# Allegro board F407_PACK_V10C.brd (continued)
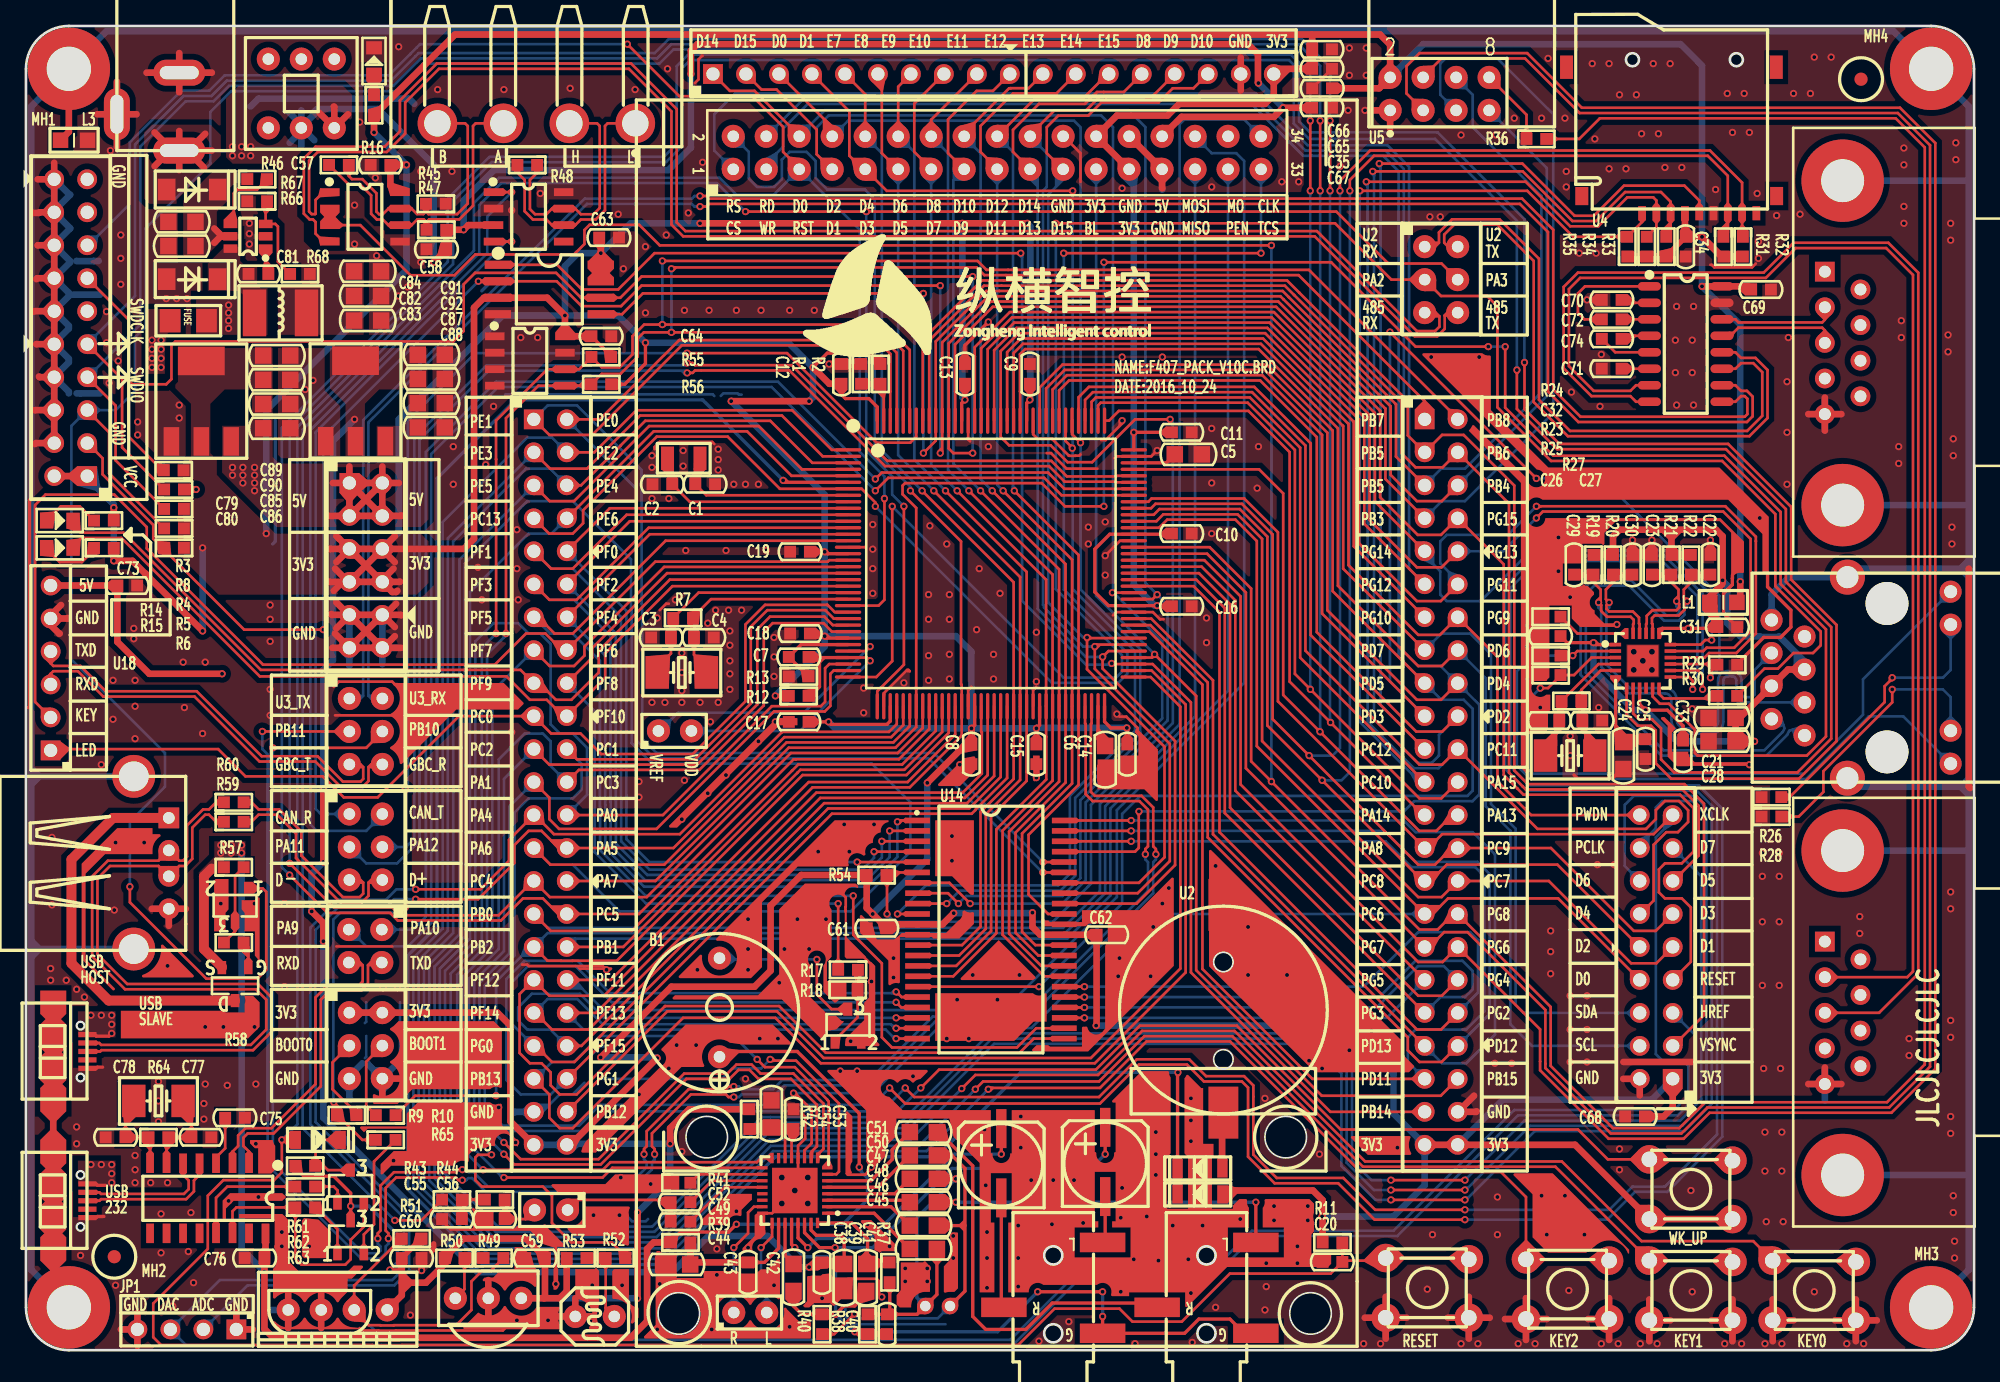
[diagram p0: board, top side]
## Routing (per net, layer and track width the routed paths; a pad name or vN(x,y) marks a point on that pad's centre or on a via; arc(x,y) is an arc through that point) (continued)
N11518043: length 4.4
  TOP w0.203: R1.1 R2.1 66.05,74.19 U1.143
N11518115: length 3.4
  TOP w0.254: C5.1 87.81,68.35 U1.106
N11543983: length 7
  TOP w0.254: C24.1 122.4,47.44 U3.6
  TOP w0.508: C25.1 123.22,47.06 C24.1
N11544758: length 5.6
  TOP w0.203: R24.2 119.46,55.2 U3.24
N11545616: length 5.2
  TOP w0.203: R30.1 130.04,50.2 126.1,50.2 125.75,50.55 U3.12
N11546552: length 10.1
  TOP w0.203: U3.4 121.09,52.85 R27.1 118.24,48.68 C26.2 118.06,48.46 117.8,48.2 117.8,46.6 X3.2
N11546564: length 8.7
  TOP w0.203: X3.1 120.1,46.5 120.1,48.2 119.84,48.46 C27.2 119.76,48.58 R27.2 119.76,50.86 121.25,52.35 U3.5
N11550641: length 21.3
  TOP w0.203: v1(143.7,51.8) 143.7,51.73 143.12,51.14 143.12,49.92 135.8,42.6 R26.1
  BOTTOM w0.203: J9.11 148.2,52.4 147.6,51.8 v1(143.7,51.8)
N11550645: length 21.5
  TOP w0.203: v1(143.7,50.9) 143.7,49.9 138.4,44.6 138.4,43 136.5,41.1 R28.1
  BOTTOM w0.203: 148.2,47.72 148.2,50.3 147.6,50.9 v1(143.7,50.9)
N11560624: length 4.6
  TOP w0.203: D3.1 2.68,65 4.14,65 R14.2
N11560628: length 4.7
  TOP w0.203: D4.1 1.58,61.72 2.6,60.7 4.3,60.7 5.24,61.64 R15.2
N11623966: length 3.3
  TOP w0.254: C6.1 82.55,47.09 U1.71
N11837194: length 13.6
  TOP w0.508: 11.3,92.4 9.9,93.8 ; 11.3,92.4 11.1,92.4 9.9,91.2 ; 11.3,92.4 DC1.1 ; 12.5,92.4 14.31,92.4 ; 12.5,92.4 12.4,92.4 ; 12.5,92.4 13.8,93.7 ; 12.4,92.4 13.7,91.1 ; 12.4,92.4 DC1.1 ; DC1.1 11.8,93.91 ; DC1.1 11.8,90.89
N11837240: length 2.3
  TOP w0.508: 15.1,85.8 14.5,86.4 ; 15.1,85.8 U20.5 ; 15.1,85.8 15,85.8 14.5,85.3
N11837304: length 6.9
  TOP w0.203: U20.3 18.45,86.75 ; 18.45,86.75 19.2,86.75 19.4,86.55 19.4,83.84 R68.1 ; 18.45,86.75 18.45,88.39 R66.2
N11838232: length 2
  TOP w0.203: U20.1 18.45,83.11 C81.2
N13706171: length 5.5
  TOP w0.203: U20.4 16,87 16,89.1 16.3,89.4 17.8,89.4 18.56,90.16 R67.1
N13708484: length 6.3
  TOP w0.203: Q1.1 62.28,23.88 64.04,25.64 R18.2 64.04,28.61 64.06,28.64 R17.2
N13708528: length 13.1
  TOP w0.203: v1(60.9,30.1) 60.9,27.4 62.03,26.27 Q1.3
  BOTTOM w0.203: B1.2 53.5,30.1 v1(60.9,30.1)
N13709121: length 6.5
  TOP w0.203: 24.23,16.2 22.8,16.2 22.3,15.7 22.3,14.9 22.26,14.86 R61.2 22.92,14.2 23.25,13.87 Q4.3
N13709187: length 2.8
  TOP w0.203: Q4.1 24,11.35 24,12.3 23.7,12.6 R62.1
N13709299: length 4.3
  TOP w0.203: Q5.1 23.98,9.32 22.3,11 R63.1
N13709345: length 9.8
  TOP w0.203: R65.1 26.8,14.54 26.8,9.7 26.02,8.92 Q5.2
N13727357: length 1.6
  TOP w0.254: D5.1 R16.2
N13728271: length 3.8
  TOP w0.203: U19.4 14.63,14.85 15.34,15.55 C75.2
N13728445: length 6.9
  TOP w0.203: U19.7 10.82,16.26 R64.1 C77.2 12.74,18.56 X4.2
N13728616: length 6.9
  TOP w0.203: U19.8 9.55,16.28 R64.2 C78.2 7.66,18.56 X4.1
N13740556: length 10.9
  TOP w0.254: C43.1 56.86,6.76 57.95,7.85 U9.26
  TOP w0.508: C43.1 51.2,6.76 51.16,6.72 ; 51.16,6.72 R39.1 ; 51.16,6.72 51.14,6.7 C44.1
N13740781: length 6.6
  TOP w0.203: U9.20 53.81,12.55 C49.1
N13740788: length 6.2
  TOP w0.203: C52.1 52.81,13.05 U9.19
N13741001: length 5.8
  TOP w0.203: U9.18 51.91,13.55 51.86,13.5 51.76,13.5 R41.1
N13741060: length 8.1
  TOP w0.203: 58.4,17.04 58.4,16.54 58.45,16.49 U9.14 ; U9.13 58.95,16.89 C53.1
  TOP w0.508: C53.1 57.52,17.04 C54.1 57.28,17.04 R42.1
N13741784: length 8.3
  TOP w0.254: C51.1 66.7,15.44 66.7,14.7 65.05,13.05 U9.6
N13741788: length 7.4
  TOP w0.254: U9.5 65.61,12.55 C50.1
N13741800: length 6.8
  TOP w0.254: C47.1 66.91,12.05 U9.4
N13741812: length 6.4
  TOP w0.254: U9.3 67.91,11.55 C48.1
N13741824: length 7
  TOP w0.254: C46.1 66.61,11.05 U9.2
N13741836: length 7.5
  TOP w0.254: C45.1 65.31,10.55 U9.1
N13741899: length 27.7
  TOP w0.254: C48.2 v1(71.6,11.4) ; v1(94.7,11.4) U8.2
  BOTTOM w0.254: v1(71.6,11.4) v1(94.7,11.4)
N13741928: length 31
  TOP w0.254: C51.2 70.3,16.8 72.9,14.2 72.9,2.6 73.9,1.6 76.99,1.6 79.02,3.63 86.77,3.63 U8.1
N13741940: length 24.8
  TOP w0.254: 66.25,2.76 66.51,3.03 66.51,5.23 R37.1 ; 66.25,2.76 C40.1 68.61,2.76 U7.1 70.14,4.29 C45.2 ; 66.25,2.76 R38.2 ; C47.2 v1(71.6,13.2)
  BOTTOM w0.254: v1(71.6,13.2) 68.6,10.2 68.6,4.05 U7.1
N13741961: length 26.8
  TOP w0.203: R40.1 62.24,1.24 v1(63.8,2.8)
  TOP w0.254: 72.3,9.6 72.3,14 71.3,15 C50.2 ; 72.3,9.6 C46.2 ; 72.3,9.6 72.3,4.55 U7.2
  BOTTOM w0.203: U7.2 70.21,2.46 64.14,2.46 v1(63.8,2.8)
N13742146: length 8.5
  TOP w0.254: C36.2 75.1,3.5 U6.1
N13742150: length 3.6
  TOP w0.254: C37.2 83.1,8.5 U6.2
N13742154: length 22.1
  TOP w0.254: U9.29 59.45,8.65 v1(60.2,7.9) ; v1(75.1,15.1) C36.1
  BOTTOM w0.254: v1(75.1,15.1) 71.5,15.1 65,8.6 60.9,8.6 v1(60.2,7.9)
N13742161: length 29.4
  TOP w0.254: U9.30 59.95,9.05 61.1,7.9 v1(62.3,7.9) ; v1(83.1,15.1) C37.1
  BOTTOM w0.254: v1(83.1,15.1) 82,14 71.3,14 65.2,7.9 v1(62.3,7.9)
N13742295: length 3.4
  TOP w0.254: U9.27 58.45,7.29 C42.2
N13742444: length 8.2
  TOP w0.254: U9.32 63.6,9.8 64.8,8.6 64.8,7.61 64.7,7.5 C41.1 64.8,6.64 64.92,6.76 R37.2
N13743580: length 3.3
  TOP w0.203: C55.1 R43.2 R44.1
N13743674: length 4.1
  TOP w0.203: J11.2 38.46,10.1 C56.1 R44.2
N16679056: length 4.9
  TOP w0.203: U12.1 33.76,4.7 R50.2 R49.2
N16679306: length 6.3
  TOP w0.203: R53.1 R52.2 44.64,3.26 LS1.2
N16704366: length 2.1
  TOP w0.203: Q2.1 17.12,31.05 R58.2
N16704370: length 6.4
  TOP w0.203: R57.1 16.1,36.54 Q3.3 16.1,32.26 R58.1
N16704862: length 2.2
  TOP w0.203: C70.2 123.09,80.67 U17.2
N16704870: length 2.1
  TOP w0.203: U17.6 122.87,75.59 C71.2
N16704890: length 9.3
  TOP w0.203: C72.1 120,79.4 119.5,79.9 119.5,81.4 120.05,81.94 U17.1
N16704894: length 4.1
  TOP w0.203: U17.5 122.37,76.86 C74.2
N16704906: length 2.2
  TOP w0.203: U17.4 123.1,78.14 C74.1
N16704910: length 2.1
  TOP w0.203: C72.2 122.87,79.41 U17.3
N16705916: length 16.1
  TOP w0.203: J19.6 26.58,36.22 26.37,36.02 26.37,35 25.87,34.49 24.21,34.49 20.79,37.91 20.79,39.78 19.33,41.25 17.91,41.25 17.36,40.7 R59.1
N16706056: length 15.4
  TOP w0.203: J19.5 25.76,36.22 25.97,36.02 25.97,35.17 25.7,34.9 24.4,34.9 21.2,38.1 21.2,39.95 19.5,41.65 17.91,41.65 17.36,42.2 R60.1
N16708256: length 5.9
  TOP w0.203: R36.2 115.54,95.16 U5.8
N16787865: length 30.6
  TOP w0.762: Q2.3 6.37,26.93 3.5,29.8 3.5,37.8 6.7,41 USB2.1
N115355290: length 6.2
  TOP w0.203: R10.1 26.2,18.84 26.2,22.22 J8.4
N115355295: length 6.7
  TOP w0.203: J8.3 23.6,22.16 23.6,20.1 25.46,18.24 R9.2
N117249130: length 4.4
  TOP w0.203: 92.1,17.2 92.2,17.3 U2.1
  TOP w0.508: D2.1 92.1,14.03 92.1,17.2

## Copper pours and planes (outline as drawn; the poured copper is in the pictures)
AGND on TOP (solid shape): 64.72,4.58 65.33,3.92 64.09,3.54 63.98,3.57 63.94,3.67 64.06,5.19
GND on TOP (solid shape): 60.89,10.61 57.51,10.61 57.51,13.99 60.89,13.99
GND on TOP (solid shape): 34.72,10.74 36,10.74 36,9.26 34.43,9.26 34.43,10.71 34.3,10.85 34.45,10.98
GND on TOP (solid shape): 22.52,10.06 23.48,9.11 23.48,8.35 23.25,8.09 23.25,7.09 21.43,7.09 21.25,7.27 21.25,9.99 21.41,10.18
GND on TOP (solid shape): 15.59,33.95 15.36,33.69 15.36,32.37 15.38,32.35 15.39,32.29 15.34,32.26 14.49,32.26 14.49,36.17 14.61,36.29 15.59,36.29
GND on TOP (solid shape): 72.99,35.16 72.95,35.08 72.87,35.07 72.81,35.08 72.73,35.09 71.31,36.51 70.01,36.51 70.01,40.81 72.99,40.81
GND on TOP (solid shape): 19.02,16.14 19.07,15.92 19.19,15.74 19.19,13.91 18.89,13.61 17.88,13.61 17.88,15.56 17.63,15.56 17.25,15.94 17.25,16.16 17.28,16.19 19.01,16.19
GND on TOP (solid shape): 59.4,48.13 58.02,48.13 50.14,40.26 49.62,40.26 49.53,40.32 49.55,40.43 57.81,48.69 59.4,48.69
GND on TOP (solid shape): 67.02,8.09 67.02,7.63 65.89,7.63 65.75,7.5 65.45,7.68 65.33,7.68 65.33,8.82 64.31,9.84 64.29,9.95 64.38,10.02 65.09,10.02
GND on TOP (solid shape): 17.99,26.79 17.99,24.91 17.1,24.02 7.31,24.02 7.31,26.14 15.36,26.14 15.36,26.02 16.84,26.02 16.84,26.65 16.89,26.93 16.84,27.2 16.84,27.21 16.84,27.29 17.49,27.29
GND on TOP (solid shape): 72.97,45.74 73.06,45.72 73.09,45.64 73.09,44.63 71.91,43.45 70.33,43.45 70.24,43.52 70.26,43.63 72.23,45.6
GND on TOP (solid shape): 71.77,9.02 71.77,4.77 71.49,4.49 71.15,4.49 70.98,4.48 70.81,4.44 70.72,4.45 70.67,4.53 70.67,6.45 71.18,7.01 71.18,8.79 71.49,9.07 71.72,9.07
GND on TOP (solid shape): 127.03,47.91 126.74,47.57 126.74,46.1 127.99,46.1 127.99,45.79 128.49,45.29 132.9,45.29 132.9,45.01 127.12,45.01 126.41,45.72 126.41,48.11 125.93,48.59 125.9,48.7 126,48.77 126.17,48.77
GND on TOP (solid shape): 19.97,11.88 20,11.8 19.97,11.72 19.73,11.51 15.99,11.51 15.4,10.92 15.4,10.13 15.35,10.07 15.27,10.04 15.19,10.07 15.14,10.13 15.14,11.52 15.71,12.09 19.73,12.09
GND on TOP (solid shape): 77.54,27.49 77.98,27.31 78.43,27.46 78.53,27.47 78.59,27.38 78.59,25.31 77.58,25.31 76.1,23.83 70.01,23.83 70.01,27.49
GND on TOP (solid shape): 85.51,47.85 85.61,47.82 87.16,46.27 87.16,42.41 87.1,42.31 86.99,42.33 86.11,43.21 82.51,43.21 82.51,43.21 82.51,45.5 84.14,45.5 84.14,45.8 85.66,45.8 85.66,47.27 85.37,47.6 85.39,47.63 85.42,47.7 85.44,47.77
GND on TOP (solid shape): 63.11,18.29 63.17,18.39 63.28,18.36 63.63,18.02 63.63,14.53 63.48,14.14 63.58,13.74 63.58,13.64 63.49,13.58 63.11,13.58
GND on TOP (solid shape): 64.93,29.81 64.99,29.9 65.1,29.88 65.39,29.59 65.39,23.89 65.69,23.59 65.71,23.48 65.61,23.42 63.16,23.42 63.09,23.46 63.06,23.54 63.12,24 64.54,25.43 64.54,26.76 64.9,27.15 64.9,28.39 64.93,28.45
GND on TOP (solid shape): 17.82,34.85 17.93,34.87 17.99,34.78 17.99,29.51 17.94,29.46 17.88,29.45 17.85,29.49 17.85,30.13 17.62,30.39 17.62,30.58 17.63,30.94 17.63,32.26 16.86,32.26 16.81,32.29 16.82,32.35 16.84,32.37 16.84,33.69 16.61,33.95 16.61,34.66 17.6,34.66
GND on TOP (solid shape): 62.21,5.6 63.58,5.6 63.66,5.57 63.68,5.49 63.55,3.94 62.76,3.94 62.27,3.44 62.14,3.42 61.91,3.63 60.69,3.63 60.32,3.3 59.96,3.3 59.83,3.42 60.14,3.77 60.14,5.61 60.17,5.69 60.25,5.72 60.37,5.72 60.49,5.74 61.21,5.74 61.32,5.85 61.86,5.91
GND on TOP (solid shape): 69.1,6.76 69.17,6.84 69.28,6.81 69.61,6.45 69.61,4.51 69.59,4.49 69.25,4.49 68.48,4.17 68.16,3.4 68.16,3.3 67.28,3.3 67.04,3.51 67.04,4.25 67.36,4.63 67.36,6.76
GND on TOP (solid shape): 50.3,12.26 49.11,12.26 48.57,12.08 42.71,12.08 42.59,12.12 42.47,12.13 41.9,12.13 41.9,12.13 41.52,12.13 41.15,12.03 41.06,12.03 41.01,12.11 40.5,12.62 40.48,12.73 40.57,12.79 44.61,12.79 45.36,13.54 50.3,13.54
GND on TOP (solid shape): 55.89,11.56 55.84,11.56 55.09,10.81 55.09,10.43 55.05,10.35 54.95,10.34 54.35,10.29 54.02,9.79 54.02,9.77 53.88,9.63 53.74,9.63 53.73,9.62 53.67,9.62 53.66,9.63 52.03,9.63 52.03,10.05 54.02,12.04 55.89,12.04
GND on TOP (solid shape): 9.74,39.74 10.26,39.74 10.36,39.67 10.32,39.56 9.9,39.1 9.74,38.5 9.74,38.21 6.09,38.21 4.59,36.7 4.59,30.12 6.82,27.89 6.84,27.78 6.74,27.72 6.7,27.72 4.29,30.13 4.29,37.47 7.03,40.21 9.74,40.21
GND on TOP (solid shape): 56.92,9.25 56.94,9.22 56.94,8.96 56.57,8.59 56.55,8.58 56.05,8.31 55.93,7.75 55.91,7.66 55.83,7.63 55.27,7.63 55.19,7.66 55.17,7.75 55.18,7.8 55.19,7.87 56.11,8.79 56.11,10.39 56.24,10.52 56.92,10.52
GND on TOP (solid shape): 123.44,7.74 123.44,7.45 123.36,7.45 123.34,7.48 122.23,8.42 120.83,8.03 120.83,8.03 120.13,7.51 117.19,7.51 116.01,8.69 116.01,12.01 114.57,13.45 114.55,13.56 114.64,13.62 117.56,13.62
GND on TOP (solid shape): 39.99,9.59 41.44,8.14 41.47,8.03 41.37,7.96 40.76,7.96 40.71,7.92 40.64,7.91 39.87,8.16 38.77,9.26 37.77,9.26 37.67,9.33 37.7,9.44 37.87,9.59 38.23,9.59 38.34,9.55 38.46,9.54 38.68,9.54 38.69,9.54 39.32,9.46 39.91,9.68 39.93,9.69 39.99,9.69
GND on TOP (solid shape): 46.39,11.06 46.48,11.02 46.48,10.92 46.41,10.67 46.43,10.42 46.43,10.41 46.43,8.16 46.39,8.08 46.3,8.06 45.97,8.15 45.31,8.81 42.21,8.81 41.73,9.28 41.71,9.39 41.8,9.46 42.75,9.96 43.03,11 43.03,11.06
GND on TOP (solid shape): 46.43,4.19 46.43,4.18 46.54,3.59 47.07,3.31 47.14,3.28 47.16,3.21 47.16,2.5 46.75,2.08 46.63,2.07 46.58,2.19 46.37,3.41 45.25,3.95 45.18,3.97 45.15,4.05 45.15,6.09 45.28,6.24 46.43,6.24
GND on TOP (solid shape): 38.92,7.24 39.13,6.45 39.3,6.25 39.3,4.99 39.24,4.89 39.13,4.92 37.97,5.34 36.96,4.65 36.87,4.59 36.78,4.65 36.15,5.23 35.3,5.31 35.18,5.36 35.2,5.48 35.31,5.59 35.97,5.59 36.62,6.24 37.63,6.24 37.63,7.94 38.23,7.94
GND on TOP (solid shape): 44.13,6.09 44.13,3.49 44.09,3.38 44.08,3.26 44.08,3.17 44.07,3.16 43.96,2.45 44.23,1.78 44.24,1.68 44.15,1.62 43.45,1.62 43.36,1.68 43.37,1.78 43.49,3.23 42.23,3.94 42.13,4 42.15,4.12 42.3,4.26 42.3,6.24 43.78,6.24 43.9,6.35
GND on TOP (solid shape): outline of 83 points within 91.1,21.41 106.89,38.54
GND on TOP (solid shape): 72.54,33.73 72.87,33.73 72.95,33.72 72.99,33.64 72.99,32.83 71.87,31.71 69.89,31.71 69.75,31.82 67.29,31.82 67.29,28.36 67.25,28.28 67.16,28.27 66.85,28.27 66.57,28.14 66.47,28.12 66.41,28.22 66.41,30.01 64.21,32.21 64.21,33.41 64.27,33.51 64.38,33.48 64.6,33.26 64.61,33.26 64.72,33.11 64.86,33 65.22,32.64 65.49,31.64 66.87,31.64 67.45,32.14 70.85,32.14 71.77,33.07 72.06,33.37 72.11,33.79 72.18,33.83 72.25,33.88
GND on TOP (solid shape): 88.21,36.37 88.32,36.39 88.38,36.3 88.38,29.6 81.79,23.01 77.58,23.01 77.48,23.08 77.51,23.19 77.81,23.49 78.71,23.49 78.85,23.38 81.31,23.38 81.31,24.82 81.34,24.89 81.42,24.92 81.52,24.91 81.62,24.92 81.69,24.91 81.73,24.85 82.3,24.32 82.99,24.66 83,24.66 83.1,24.76 83.1,31.15 83.3,31.4 83.3,32.86 81.84,32.86 81.59,32.66 78.37,32.66 78.16,32.87 78.16,33.18 78.22,33.27 78.33,33.25 78.49,33.09 78.71,33.09 78.85,32.98 81.31,32.98 81.31,33.89 85.72,33.89
GND on TOP (solid shape): 58.86,23.72 58.89,23.61 58.79,23.54 55.06,23.54 54.98,23.57 54.9,23.59 54.2,23.68 54.19,23.69 52.51,23.61 52.21,21.96 52.21,21.86 52.12,21.81 50.47,21.81 43.88,15.22 42.86,15.22 42.78,15.27 42.77,15.36 42.81,15.48 42.84,15.6 43.05,15.98 43.08,16.05 48.94,21.9 49.29,22.48 48.97,23.08 48.92,23.15 48.95,23.23 50.81,25.09 57.49,25.09
GND on TOP (solid shape): 21.46,2.51 22.73,1.75 24,2.51 24.09,2.45 24.57,1.95 25.24,1.75 25.61,1.72 25.66,1.67 25.61,1.62 19.31,1.62 19.02,1.91 19.02,2.12 19.09,2.21 19.2,2.19 20.35,1.76 21.37,2.45
GND on TOP (solid shape): 38.29,49.89 38.32,49.82 38.28,49.75 37.88,49.35 33.13,49.35 28.95,45.17 28.85,45.15 28.78,45.24 28.57,45.86 28.09,46.3 28.03,46.39 28.79,47.66 28.03,48.93 28.09,49.02 28.78,50.05 28.33,51.21 28.3,51.33 28.39,51.39 36.79,51.39
GND on TOP (solid shape): 19.99,10.25 20.23,9.99 20.23,6.85 21.01,6.08 24.79,6.08 25.23,6.52 25.85,6.52 25.95,6.45 25.92,6.34 25.09,5.51 24.76,5.51 24.76,4.5 24.32,4.06 24.2,3.91 24.09,3.75 24,3.69 22.73,4.45 21.46,3.69 21.37,3.75 20.35,4.44 19.2,4.01 19.09,3.99 19.02,4.08 19.02,5.85 19.02,5.86 19.05,6.04 19.02,6.22 19.02,6.25 19.23,6.5 19.23,7.64 19.11,7.91 19.11,8.04 19.15,8.1 19.15,10.16 16.41,10.16 16.41,10.49 19.73,10.49
GND on TOP (solid shape): 36.64,24.73 36.64,20.31 36.59,20.23 36.49,20.22 36.1,20.28 35.74,20.11 29.75,20.11 28.61,18.96 26.79,18.96 26.71,19.05 26.71,19.62 26.76,19.7 26.85,19.71 28.64,20.3 28.09,22.1 28.03,22.19 28.79,23.46 28.03,24.73 28.09,24.82 28.26,24.93 28.41,25.06 28.68,25.34 36.03,25.34
GND on TOP (solid shape): 35.74,19.09 36.1,18.92 36.49,18.98 36.59,18.97 36.64,18.89 36.64,17.35 37.88,16.11 37.88,15.82 37.88,15.74 37.83,15.69 37.49,16.03 37.48,16.05 36.69,16.68 36.13,15.84 36.11,15.74 36.01,15.72 35.68,15.71 35.39,15.56 34.59,15.56 34.09,15.06 34.09,14.59 34.04,14.51 33.94,14.51 33.53,14.59 33.15,14.43 33.14,14.42 33.1,14.42 32.9,14.21 28.12,14.21 27.48,13.58 27.37,13.55 27.31,13.65 27.31,14.33 28.32,15.34 29.33,15.34 29.33,17.06 26.32,17.06 26.03,16.79 25.76,17.06 25.73,17.17 25.83,17.24 29.33,17.24 29.33,18.25 30.17,19.09
GND on TOP (solid shape): 63.99,35.85 64.08,35.75 64.08,35.66 64.05,35.62 64,35.61 63.37,35.6 63.02,35.08 62.96,35 62.87,35 62,34.83 62.03,33.94 62.03,30.31 61.67,29.91 61.67,28.44 63.17,28.44 63.17,27.18 62.81,27.18 62.37,26.78 62.24,26.78 61.41,27.61 61.41,29.64 60.9,30.79 60.39,29.64 60.39,27.19 61.82,25.76 62.37,25.76 62.81,25.36 62.91,25.36 62.96,25.32 62.95,25.27 62.4,24.71 61.55,24.59 61.55,23.92 61.48,23.82 61.37,23.84 58.2,27.01 49.89,27.01 49.8,27.08 49.82,27.19 49.97,27.34 56.37,27.34 58,28.96 58,33.96 59.97,35.94 63.89,35.94
GND on TOP (solid shape): 66.41,40.68 65.96,40.43 65.82,39.93 65.81,39.89 65.35,39.61 65.21,39.09 65.18,39.07 64.72,38.77 64.63,38.23 64.62,38.15 64.54,38.11 64.46,38.11 64.45,38.12 63.62,38.17 63.35,37.39 63.33,37.3 63.25,37.26 59.43,37.26 56.68,34.51 56.68,29.51 55.83,28.66 50.36,28.66 50.27,28.72 50.29,28.83 51.89,30.43 52,30.45 52.06,30.35 54.35,29.25 53.25,31.54 53.15,31.6 53.17,31.71 62.27,40.81 66.42,40.81
GND on TOP (solid shape): outline of 284 points within 47.59,0.91 60.44,7.64
GND on TOP (solid shape): outline of 91 points within 107.53,44.43 134.19,76.79
GND on TOP (solid shape): outline of 523 points within 61.71,3.32 100.5,21.59
GND_EARTH on TOP (solid shape): 1.96,25.95 2.1,25.99 2.24,25.95 3.09,25.1 2.1,24.14 1.11,25.1
GND_EARTH on TOP (solid shape): 1.96,23.45 2.1,23.49 2.24,23.45 3.09,22.6 2.1,21.64 1.11,22.6
GND_EARTH on TOP (solid shape): 1.96,21.05 2.1,21.09 2.24,21.05 3.09,20.2 2.1,19.24 1.11,20.2
GND_EARTH on TOP (solid shape): 1.96,17.05 2.1,17.09 2.24,17.05 3.09,16.2 2.1,15.24 1.11,16.2
GND_EARTH on TOP (solid shape): 1.96,14.45 2.1,14.49 2.24,14.45 3.09,13.6 2.1,12.64 1.11,13.6
GND_EARTH on TOP (solid shape): 1.96,11.95 2.1,11.99 2.24,11.95 3.09,11.1 2.1,10.14 1.11,11.1
GND_EARTH on TOP (solid shape): 1.96,9.55 2.1,9.59 2.24,9.55 3.09,8.7 2.1,7.74 1.11,8.7
GND_EARTH on TOP (solid shape): 3.09,25.9 2.24,25.05 2.1,25.01 1.96,25.05 1.11,25.9 2.1,26.86
GND_EARTH on TOP (solid shape): 3.09,23.3 2.24,22.45 2.1,22.41 1.96,22.45 1.11,23.3 2.1,24.26
GND_EARTH on TOP (solid shape): 3.09,20.8 2.24,19.95 2.1,19.91 1.96,19.95 1.11,20.8 2.1,21.76
GND_EARTH on TOP (solid shape): 3.09,18.4 2.24,17.55 2.1,17.51 1.96,17.55 1.11,18.4 2.1,19.36
GND_EARTH on TOP (solid shape): 3.09,14.4 2.24,13.55 2.1,13.51 1.96,13.55 1.11,14.4 2.1,15.36
GND_EARTH on TOP (solid shape): 3.09,11.8 2.24,10.95 2.1,10.91 1.96,10.95 1.11,11.8 2.1,12.76
GND_EARTH on TOP (solid shape): 3.09,9.3 2.24,8.45 2.1,8.41 1.96,8.45 1.11,9.3 2.1,10.26
GND_EARTH on TOP (solid shape): 3.09,6.9 2.24,6.05 2.1,6.01 1.96,6.05 1.11,6.9 2.1,7.86
VCC_3V3 on TOP (solid shape): 97.38,98.52 96.62,97.76 96.02,98.28 96.48,98.7 97.2,98.7
VCC_3V3 on TOP (solid shape): 4.78,67.33 3.95,66.57 3.23,67.19 3.19,67.33 3.23,67.47 3.95,68.09
VCC_3V3 on TOP (solid shape): 127.56,20.14 126.94,19.42 126.8,19.38 126.66,19.42 126.04,20.14 126.8,20.96
VCC_3V3 on TOP (solid shape): 125.04,10.06 123.9,10.1 123.9,10.95 123.97,11.13 124.15,11.2 125,11.2
VCC_3V3 on TOP (solid shape): 126.38,10.28 126.45,10.1 126.38,9.92 125.78,9.32 124.94,10.1 125.78,10.88
VCC_3V3 on TOP (solid shape): 131.46,10.1 130.62,9.32 130.02,9.92 129.95,10.1 130.02,10.28 130.62,10.88
VCC_3V3 on BOTTOM (solid shape): 5.73,66.43 5.64,66.24 5.45,66.17 3.95,66.57 4.67,67.38 5.47,68.09
VCC_3V3 on TOP: 14.8,58.2 11.7,61.3 11.7,68.3 12.3,68.3 12.7,68.7 12.7,72.9 11.5,74.1 11.5,77.5 19,77.5 19,74 15.3,74 14.2,72.9 14.2,69.1 14.9,68.4 14.9,67.2 19.2,62.9 30.4,62.9 31,62.3 31,59.1 30.1,58.2 ; 2 cut-outs
VCC_3V3_WM8978 on TOP: 26.1,68.8 26.1,72.9 27.2,74 30.9,74 30.9,77.5 23.4,77.5 23.4,74.1 24.6,72.9 24.6,68.8
VCC_5V on TOP (solid shape): 25.66,66.04 25.04,65.32 24.9,65.28 24.76,65.32 24.14,66.04 24.9,66.86
VCC_5V on TOP (solid shape): 26.38,66.94 26.42,66.8 26.38,66.66 25.66,66.04 24.84,66.8 25.66,67.56
VCC_5V on TOP: 19,73.6 17.5,73.6 17.4,73.5 17.4,71.6 17,71.2 15.1,71.2 15.1,67.6 19.3,63.4 30.4,63.4 31,64 31,73.7 29.4,73.7 29.4,71.6 29,71.2 27,71.2 27,68.4 26.9,68.3 19.5,68.3 19,68.8 ; 1 cut-out
VCC_5V on TOP: 14.5,39.2 16.9,39.2 16.9,37.9 15.7,37.9 15.7,36.7 13.3,36.7 13.3,36.8 14.5,38
VCC_5V on BOTTOM: 14.6,37.9 14.6,74.2 20.1,79.7 20.1,95.4 20.5,95.8 22,95.8 22.5,95.3 22.5,77.8 18,73.3 18,40.3 16.9,39.2 16.9,37.9
VCC_LAN8720A on BOTTOM (solid shape): 136.95,53.05 136.98,52.37 136.1,52.43 136.1,53.65 136.35,53.65
(no net) on TOP: 3.3,0.1 1.04,1.04 0.1,3.3 0.1,98.7 1.05,100.95 3.3,101.9 146.7,101.9 148.96,100.96 149.9,98.7 149.9,59.9 132.9,59.9 132.9,43.8 149.9,43.8 149.9,3.3 148.95,1.05 146.7,0.1 ; 168 cut-outs
(no net) on BOTTOM: 3.3,0.1 1.04,1.04 0.1,3.3 0.1,98.7 1.05,100.95 3.3,101.9 146.7,101.9 148.96,100.96 149.9,98.7 149.9,59.8 133,59.8 133,43.8 149.9,43.8 149.9,3.3 148.95,1.05 146.7,0.1 ; 120 cut-outs
FSMC_D13 on BOTTOM (solid shape): 77.9,90.38 77.9,89.65 77.83,89.58 77.08,90.33 77.31,90.98
GBC_LED on TOP (solid shape): 3.37,46.37 3.4,46.31 3.38,46.24 2.66,45.52 1.87,46.2 2.64,46.91
IIC_SDA on TOP (solid shape): 107.64,73.18 107.7,73.2 107.77,73.18 108.46,72.46 107.7,71.67 106.94,72.46
KEY0 on TOP (solid shape): 134.52,6.88 133.4,6.9 133.4,7.9 133.43,7.97 133.5,8 134.5,8
KEY0 on TOP (solid shape): 135.98,6.97 136.01,6.9 135.98,6.83 135.28,6.12 134.47,6.9 135.28,7.68
KEY0 on TOP (solid shape): 140.93,6.8 140.12,6.02 139.32,6.83 139.29,6.91 139.33,6.98 140.13,7.59
KEY1 on TOP (solid shape): 125.02,6.88 123.9,6.9 123.9,7.9 123.93,7.97 124,8 125,8
KEY1 on TOP (solid shape): 126.48,6.97 126.51,6.9 126.48,6.83 125.78,6.12 124.97,6.9 125.78,7.68
KEY1 on TOP (solid shape): 131.43,6.8 130.62,6.02 129.82,6.83 129.79,6.91 129.83,6.98 130.63,7.59
KEY2 on TOP (solid shape): 115.43,8.48 115.5,8.51 115.57,8.48 116.28,7.78 115.5,6.97 114.72,7.78
KEY2 on TOP (solid shape): 116.98,7.07 117.01,7 116.98,6.93 116.28,6.22 115.47,7 116.28,7.78
KEY2 on TOP (solid shape): 121.93,6.9 121.12,6.12 120.32,6.93 120.29,7.01 120.33,7.08 121.13,7.69
LED0 on TOP (solid shape): 4.23,63.08 4.19,63 4.1,62.98 3.11,63.29 3.6,63.92 4.12,64.51
LED1 on TOP (solid shape): 4.12,62.53 4.2,62.5 4.23,62.42 4.12,61.19 3.6,61.78 3.11,62.41
OSC_IN on TOP (solid shape): 49.5,53.6 49.57,53.57 49.6,53.5 49.5,50.95 48.59,52.18 47.7,53.45
OSC_OUT on TOP (solid shape): 53.3,53.45 52.41,52.18 51.5,50.95 51.4,53.5 51.43,53.57 51.5,53.6
RESET on TOP (solid shape): 106.18,7.17 106.21,7.1 106.18,7.03 105.48,6.32 104.67,7.1 105.48,7.88
RESET on TOP (solid shape): 111.13,7 110.32,6.22 109.52,7.03 109.49,7.11 109.53,7.18 110.33,7.79
RESET on TOP (solid shape): 104.73,7.1 103.94,6.31 103.04,6.81 102.98,6.88 103.01,6.97 103.92,7.88
VBTN on TOP: 19.4,78 19.4,90.9 18.9,91.4 15.9,91.4 15.4,91.9 15.4,96.4 16.4,97.4 24.4,97.4 25.1,96.7 25.1,93.3 24.8,93 21.8,93 20.9,93.9 20.9,92.6 21.4,92.1 21.4,85.4 22.8,84 26,84 26,78
VBTN on TOP: 13.1,81.2 13.1,77.8 16.3,77.8 16.3,81.2
VBTN on BOTTOM: 14.9,77.8 14.9,93.2 17.5,93.2 17.7,93 17.7,91.4 16.3,90 16.3,77.8
VUSB on TOP: 4,12.6 4,14.6 6.9,14.6 6.9,12.6
VUSB on TOP: 11.9,80.2 9.3,80.2 9.3,75.2 10.8,75.2 10.8,78.2 11,78.4 11.9,78.4
VUSB on TOP: 4,24.1 4,26.1 6.9,26.1 6.9,24.1
VUSB on BOTTOM: 4.7,12.5 4.7,26.1 10.4,26.1 12.4,28.1 12.4,45 9.3,48.1 9.3,78.2 11.1,78.2 11.1,49 14,46.1 14,26.9 11.2,24.1 7,24.1 7,12.5
WK_UP on TOP (solid shape): 125.03,14.7 124.22,13.92 123.52,14.63 123.49,14.7 123.52,14.77 124.22,15.48
WK_UP on TOP (solid shape): 126.58,14.67 126.61,14.59 126.57,14.52 125.77,13.91 124.97,14.7 125.78,15.48
WK_UP on TOP (solid shape): 131.43,14.6 130.62,13.82 129.92,14.53 129.89,14.6 129.92,14.67 130.62,15.38
N11543983 on TOP (solid shape): 122.27,48.11 122.35,48.23 122.48,48.21 123.45,47.24 123.01,46.81 122.36,46.21
N11546552 on TOP (solid shape): 117.73,47.76 117.84,47.78 117.9,47.69 117.9,44.55 116.99,45.78 116.46,46.49
N11546564 on TOP (solid shape): 120,47.71 120.07,47.78 120.16,47.76 120.88,47.05 120.81,45.78 119.95,46.96
N11560624 on TOP (solid shape): 2.19,64.61 2.27,64.58 2.29,64.5 2.09,63.29 1.57,63.88 1.08,64.51
N11560628 on TOP (solid shape): 2.21,61.19 2.18,61.12 2.11,61.09 1.08,61.19 1.57,61.82 2.09,62.41
N11623966 on TOP (solid shape): 82.42,47.82 82.5,47.93 82.63,47.91 83.58,46.96 83.11,46.51 82.47,45.91
N11837194 on TOP: 9.7,94.4 14.2,94.4 15,93.6 15,92 11.6,88.6 11.6,88.3 9.5,88.3 9.1,88.7 9.1,93.8
N11837240 on TOP: 17.5,90.7 14.2,90.7 12.1,88.6 12.1,84.2 13.8,84.2 15,85.4 16.4,85.4 16.4,86.2 15,86.2 14.7,86.5 14.7,87.7 16.7,89.7 17.5,89.7
N11837272 on TOP: 16.7,78 16.7,81.3 16.4,81.6 14,81.6 14,83.7 15.3,85 15.3,85.2 16.5,85.2 16.5,83.9 16.9,83.5 17.9,83.5 17.9,82 18.1,81.8 18.6,81.8 18.6,78
N13728445 on TOP (solid shape): 12.92,18.04 12.84,17.29 12.77,17.22 12.67,17.24 11.96,17.95 12.09,19.22
N13728616 on TOP (solid shape): 8.44,17.95 7.73,17.24 7.63,17.22 7.56,17.29 7.48,18.04 8.31,19.22
N13741928 on TOP (solid shape): 71.06,16.18 71.03,16.08 70.94,16.04 69.51,16.16 70.12,16.82 70.78,17.43

Small or netless copper shapes (teardrops, artwork), in the pictures only: 937 on TOP, 364 on BOTTOM

## Text on the board
Ref Des/Silkscreen Bottom: NAME:F407_PACK_V10C.BRD | DATE:2016_10_24
Ref Des/Silkscreen Top: GND | TXD | RXD | KEY | LED | 5V | USB | HOST | 232 | SLAVE | DAC | ADC | U3_TX | PB11 | GBC_T | CAN_R | PA11 | D | 3V3 | BOOT0 | PA9 | U3_RX | PB10 | GBC_R | CAN_T | PA12 | BOOT1 | PA10 | B | PE1 | PE3 | PE5 | PC13 | PF1 | PF3 | PF5 | PF7 | PF9 | PC0 | PC2 | PA1 | PA4 | PA6 | PC4 | PB0 | PB2 | PF12 | PF14 | PG0 | PB13 | A | H | PE0 | PE2 | PE4 | PE6 | PF0 | PF2 | PF4 | PF6 | PF8 | PF10 | PC1 | PC3 | PA0 | PA5 | PA7 | PC5 | PB1 | PF11 | PF13 | PF15 | PG1 | PB12 | L | D14 | RS | CS | R | D15 | RD | WR | D0 | RST | D1 | D2 | E7 | E8 | D4 | D3 | E9 | D6 | D5 | E10 | D8 | D7 | E11 | D10 | D9 | E12 | D12 | D11 | D13 | E13 | E14 | BL | E15 | NAME:F407_PACK_V10C.BRD | DATE:2016_10_24 | MOSI | MISO | PEN | MO | CLK | TCS | PB7 | PB5 | PB3 | PG14 | PG12 | PG10 | PD7 | PD5 | PD3 | PC12 | PC10 | PA14 | PA8 | PC8 | PC6 | PG7 | PG5 | PG3 | PD13 | PD11 | PB14 | U2 | RX | PA2 | 485 | RESET | TX | PA3 | PB8 | PB6 | PB4 | PG15 | PG13 | PG11 | PG9 | PD6 | PD4 | PD2 | PC11 | PA15 | PA13 | PC9 | PC7 | PG8 | PG6 | PG4 | PG2 | PD12 | PB15 | KEY2 | PWDN | PCLK | SDA | SCL | WK_UP | KEY1 | XCLK | HREF | VSYNC | KEY0 | VCC | SWDCLK | SWDIO | VREF | VDD | - | + | JLCJLCJLCJLC
COMPVAL_TYPE_TOP: FIGURE | SIZE | 0.3048 | 0.4572 | 0.8 | 0.889 | 0.9 | 0.9144 | 1.0008 | 1.016 | 1.2 | 1.7 | 2.032 | 2.3 | 3.302 | 3.4036 | 3.3 | 3.0x1.0 | DRILL CHART: TOP to BOTTOM | ALL UNITS ARE IN MILLIMETERS | PLATED | NON-PLATED | QTY | 833 | 10 | 2 | 93 | 1 | 3 | 18 | 12 | 8 | 162 | 20 | 4
